# KiCad board panel.kicad_pcb (continued)
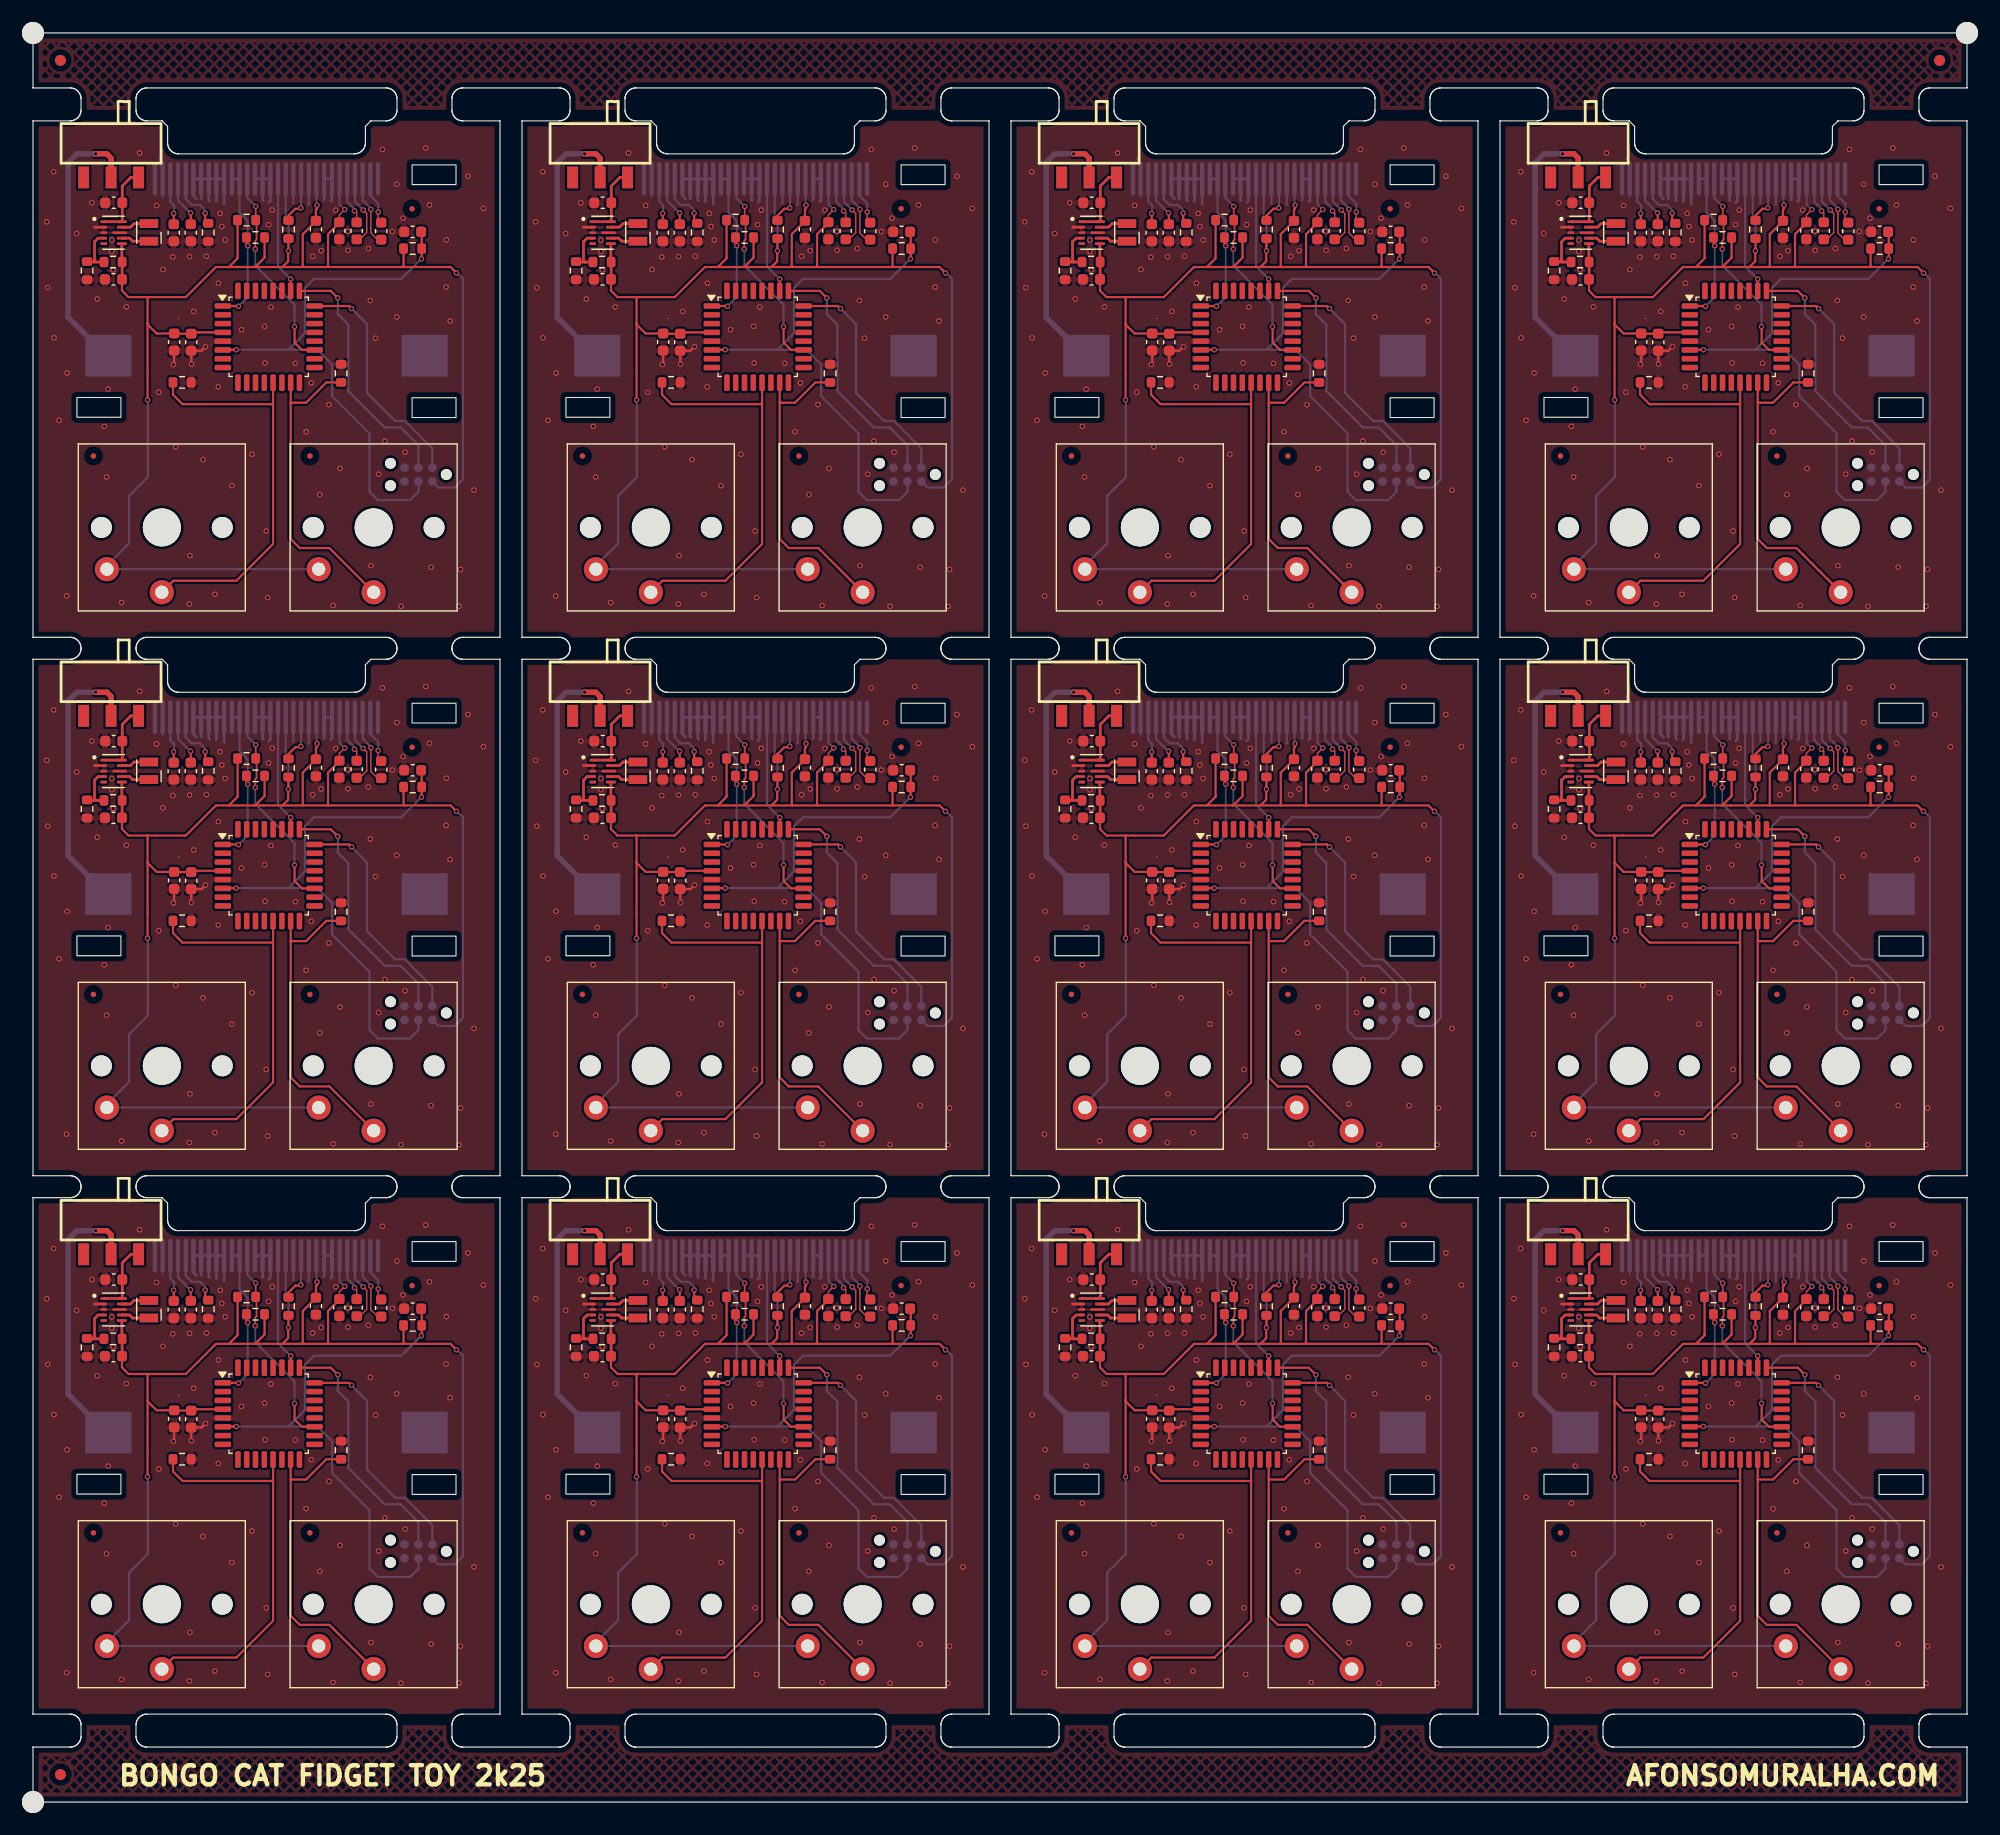
[diagram p0: board, top side]
## Routing (per net, layer and track width the routed paths; a pad name or vN(x,y) marks a point on that pad's centre or on a via; arc(x,y) is an arc through that point) (continued)
Board_5-Net-(BT1-+): length 25.3
  Top w0.5: SW5#5.2 51.61,100.62 51.22,101 v1(50.2,101)
  Bottom w0.5: v1(50.2,101) 48.5,101 47.7,100.2 47.7,86.12 51.19,82.63 BT1#4.1
Board_5-Net-(J1-Pin_2): length 4.3
  Top w0.127: v1(75.92,95.7) 75.9,95.68 75.9,94.73
  Bottom w0.2: J1#9.2 75.2,97.2 75.92,96.48 v1(75.92,95.7)
Board_5-Net-(J1-Pin_3): length 6.4
  Top w0.127: C9#9.1 75.85,93.19 75.25,93.79 v1(75.25,95.95)
  Bottom w0.2: J1#9.3 74.5,96.79 75.25,96.04 v1(75.25,95.95)
Board_5-Net-(J1-Pin_4): length 6.5
  Top w0.127: v1(74.55,95.89) 74.87,95.57 74.87,93.84 74.25,93.22 C8#6.2
  Bottom w0.2: J1#9.4 73.8,96.65 74.55,95.9 v1(74.55,95.89)
Board_5-Net-(J1-Pin_5): length 4.3
  Top w0.127: v1(73.76,95.81) 73.96,95.61 C8#6.1
  Bottom w0.2: J1#9.5 73.1,96.65 73.76,95.99 v1(73.76,95.81)
Board_5-Net-(J1-Pin_26): length 5
  Top w0.15: 60.17,94.9 60.15,94.88
  Top w0.2: v1(60.17,95.6) 60.17,94.9
  Bottom w0.2: v1(60.17,95.6) 60.17,95.88 59.7,96.35 58.95,96.35 58.4,96.9 J1#9.26
Board_5-Net-(J1-Pin_27): length 4.6
  Top w0.15: 58.86,95.61 v1(58.84,95.63)
  Top w0.2: C12#11.2 58.86,95.61
  Bottom w0.2: J1#9.27 57.7,96.75 58.82,95.63 v1(58.84,95.63)
Board_5-Net-(J1-Pin_28): length 4.3
  Top w0.15: 57.31,95.57 v1(57.3,95.58)
  Top w0.2: C13#2.2 57.31,95.57
  Bottom w0.2: v1(57.3,95.58) 57.35,95.63 57.35,96.3 57,96.65 J1#9.28
Board_5-Net-(SW5-A): length 6.7
  Top w0.25: U101#10.1 U101#10.10 52.62,94.86 C1#10.1 52.62,98.08 53.4,98.85 SW5#5.3
Board_5-Net-(U101-FB): length 4.4
  Top w0.25: U101#10.4 50.42,93.33 50.1,93 50.1,91.28 50.22,91.16 ; R4.1 49.47,91.16 50.22,91.16 ; R6#6.2 50.22,91.16
Board_5-Net-(U101-L1): length 2.6
  Top w0.25: L102#11.1 53.7,94.65 53.38,94.33 U101#10.9
Board_5-Net-(U101-L2): length 2.6
  Top w0.25: U101#10.7 53.3,93.33 53.58,93.05 53.57,93.05 L102#11.2
Board_5-unconnected-(U1-PC14-Pad2): length 0
  Top w0.127: 61.75,86.33 U1#2.2
Board_6-3V3: length 148.5
  Top w0.127: 123.04,92.38 122.75,92.09 ; v1(117.37,95.93) 116.88,95.44 C10#11.2 116.88,94.54
  Top w0.2: 113.6,90.7 113.55,90.75 113.55,93.69 114.75,94.89 C11#9.2 114.75,95.92 114.85,96.02 v1(114.85,96.33) ; 113.6,90.7 111.7,90.7 ; 113.6,90.7 115.9,90.7 ; 122.75,90.7 122.72,90.73 122.72,92.38 ; 122.75,90.7 115.9,90.7 ; 122.75,90.7 127,90.7 v1(127.54,90.16) ; 115.9,90.7 115.85,90.75 115.85,93.69 116.79,94.63 116.88,94.54 ; v1(99.43,78.6) 99.43,85.58 ; 111.7,90.7 109.22,90.7 ; 111.7,90.7 112.22,91.23 112.22,92.15 v1(112.25,92.18) R101#10.2 ; 106.82,90.7 105.65,90.7 102.91,87.96 99.43,87.96 ; 106.82,90.7 107.62,91.49 R13#10.2 ; 106.82,90.7 109.22,90.7 ; 99.43,87.96 99.43,85.58 ; 99.43,87.96 97.69,87.96 97.1,88.55 C2#4.1 ; 99.43,85.58 99.43,85.48 100.25,84.65 C4#8.1 101.87,84.63 C3#2.1 103.52,84.75 106.28,84.75 ; 109.22,90.7 110.07,91.55 R12#4.2
  Top w0.25: U101.6 97.09,91.18 97.12,91.16 97.12,89.59 C2#4.1 97.07,89.58
  Bottom w0.2: J4#9.1 125.9,70.63 127.38,70.63 128.12,71.38 128.12,89.64 127.58,90.18 127.58,90.21 ; v1(112.25,92.18) 112.25,94.95 112,95.2 J1.13 ; v1(99.43,78.6) 99.45,78.58 99.45,71.58 97.75,69.88 97.75,65.55 95.72,63.53 SW1#12.2 SW2#11.2 ; v1(117.37,95.93) 116.9,96.4 J1.6 ; v1(114.85,96.33) 114.8,96.38 J1.9
Board_6-/BS1: length 4.5
  Top w0.2: v1(113.38,96.08) 113.3,96 112.88,96 112.25,95.38 R101#10.1
  Bottom w0.2: J1.11 113.4,96.45 113.38,96.43 v1(113.38,96.08)
Board_6-/OLED_RST: length 10.7
  Top w0.2: v1(112.45,89.6) U1#8.26
  Bottom w0.2: v1(112.45,89.6) 111.3,90.75 J1.14
Board_6-/RST: length 50
  Top w0.127: 124.12,92.32 124.06,92.38
  Top w0.2: 106.28,83.15 106.3,83.18 v1(107.5,83.18) ; v1(124.35,91.45) 124.38,91.48 R8#9.2 124.38,93.85 124.32,93.9
  Bottom w0.2: J4#9.3 124.07,70.25 123.31,69.49 120.38,69.49 119.62,70.25 119.62,75.56 116.23,78.95 116.23,81.82 114.88,83.18 112.25,83.18 ; 112.25,83.18 113.75,84.68 113.75,88.8 114.57,89.63 122.53,89.63 v1(124.35,91.45) ; 112.25,83.18 v1(107.5,83.18)
Board_6-/SCL: length 19.1
  Top w0.127: v1(109.23,92.33) 109.15,92.41
  Top w0.152: v1(109.27,96.22) 109.27,95.06 109.34,94.98 109.34,93.21 109.23,93.09 v1(109.23,92.33)
  Top w0.2: U1#8.19 113.48,83.15 112.81,83.82 112.81,85.31
  Bottom w0.15: 109.2,92.45 109.22,92.43
  Bottom w0.2: v1(112.8,85.28) 112.8,87.28 109.23,90.85 v1(109.23,92.33) ; v1(109.27,96.22) 108.5,96.99 J1.18
Board_6-/SDA: length 15.6
  Top w0.127: 108.55,93.56 108.64,93.65 ; 106.28,87.15 106.21,87.09
  Top w0.152: v1(108.54,92.64) 108.43,92.76 R12#4.1
  Top w0.2: 107.81,87.07 107.73,87.15 106.28,87.15
  Bottom w0.127: 108.52,92.63 108.5,92.65
  Bottom w0.2: v1(107.7,87.13) 108.54,87.97 v1(108.54,92.64) 108.54,94.91 107.8,95.65 J1.19
  Bottom w0.25: J1.20 J1.19
Board_6-/SW1: length 37.3
  Top w0.127: 102.03,80.17 102.06,80.2
  Top w0.2: R1#5.1 101.74,79.08 102.6,78.22 110.82,78.22 110.85,78.25 ; 110.85,78.25 U1#8.13 ; 110.85,78.25 110.85,65.49 107.51,62.15 101.78,62.15 SW1#12.1
Board_6-/SW2: length 29.1
  Top w0.2: SW2#11.1 115.97,65.13 113.28,65.13 112.45,65.95 112.45,78.35 ; R2#12.1 115.69,80.2 113.85,78.35 112.45,78.35 ; 112.45,78.35 U1#8.15
Board_6-/SWCLK: length 23.1
  Top w0.2: U1#8.25 116.1,88.53 v1(116.74,87.89)
  Bottom w0.2: J4#9.4 124.07,74.49 122.46,76.1 121.01,76.1 117.7,79.41 117.7,85.45 116.74,86.41 v1(116.74,87.89)
Board_6-/SWDIO: length 21.5
  Top w0.127: 114.48,87.17 114.47,87.16
  Top w0.2: U1#8.24 117.76,87.15 v1(117.99,86.92)
  Bottom w0.2: v1(117.99,86.92) 119.4,85.51 119.4,79.25 121.96,76.69 122.84,76.69 125.34,74.19 J4#9.2
Board_6-/UART_TX: length 0.1
  Top w0.127: 109.25,88.71 109.26,88.72 109.26,88.81
Board_6-GND: length 36.7
  Top w0.127: 102.25,86.02 102.28,86.02
  Top w0.2: v1(104.7,83.45) 104.33,83.08 C3#2.2 103.4,81.9 v1(103.43,81.88) ; C4#8.2 101.85,81.9 v1(101.78,81.83)
  Top w0.25: 94.6,94.33 U101.2 ; 95.5,89.39 95.58,89.31
  Bottom w0.127: 100.45,100.6 100.8,100.25 100.8,97 ; 117.51,92.22 117.6,92.31
  Bottom w0.2: J1.10 114.1,96.38 114.07,96.35 ; 112.68,96.5 112.7,96.53 J1.12
  Bottom w0.25: 105.65,96.68 105.7,96.73 J1.22 ; 103.88,96.93 103.6,97.2 J1.25 J1.24 ; J1.24 J1.23 ; J1.24 104.3,96.95 104.35,96.9 ; J1.23 J1.22 ; J1.23 105,96.8 105.07,96.73 ; 115.47,96.8 115.5,96.83 J1.8 J1.7 116.2,96.78 116.1,96.68 ; 106.4,96.43 J1.21 J1.22 ; 109.95,96.75 109.9,96.8 J1.16 ; 110.45,96.58 110.6,96.73 J1.15 J1.16 ; J1.16 J1.17
  vias: v1(90.25,94.81) v1(90.35,88.82) v1(90.88,99.38) v1(90.92,84.26) v1(91.38,76.74) v1(92.11,81.06) v1(92.06,60.78) v1(92.97,93.75) v1(94.35,96.55) v1(94.85,87.8) v1(95.49,76.2) v1(95.7,71.6) v1(95.85,79.58) v1(96.18,93.15) v1(96.18,92.13) v1(96.3,90.43) v1(97.07,60.16) v1(97.5,87.08) v1(98.7,101.08) v1(100.25,96.3) v1(100.45,79.3) v1(100.82,90.48) v1(101.72,91.6) v1(101.99,74.33) v1(103.23,60.02) v1(103.25,91.65) v1(103.29,64.44) v1(103.62,86.65) v1(104.47,73.18) v1(104.78,91.68) v1(105.56,60.92) v1(105.88,89.23) v1(105.86,79.81) v1(106.04,95.58) v1(106.19,94.38) v1(106.49,93.16) v1(107.1,70.8) v1(107.97,85) v1(108.92,73.66) v1(110.07,85.3) v1(110.12,81.98) v1(110.22,66.67) v1(110.35,60.62) v1(110.44,94.56) v1(110.65,87.05) v1(110.77,95.89) v1(112.89,81.94) v1(113.85,75.7) v1(114.32,80.15) v1(114.45,91.68) v1(115.1,70) v1(115.22,92.19) v1(115.93,78.18) v1(116.32,59.89) v1(116.55,95.88) v1(116.94,72.36) v1(117.65,93.95) v1(117.68,92.22) v1(119.52,92.39) v1(119.7,87.65) v1(119.75,63.52) v1(120.18,84.23) v1(120.46,71.85) v1(120.8,101.4) v1(121.02,74.86) v1(121.7,93.93) v1(122.11,98.24) v1(122.1,86.16) v1(122.49,59.82) v1(122.68,95.15) v1(122.87,73.84) v1(124.74,101.52) v1(125.08,96.35) v1(125.23,63.38) v1(126.62,93.18) v1(126.6,88.88) v1(126.95,85.79) v1(127.77,59.82) v1(127.91,63.18) v1(128.58,98.97) v1(129.12,70.4) v1(129.99,96.04)
Board_6-Net-(BT1-+): length 25.3
  Top w0.5: v1(94.7,101) 95.72,101 96.11,100.62 SW5.2
  Bottom w0.5: BT1.1 95.69,82.63 92.2,86.12 92.2,100.2 93,101 v1(94.7,101)
Board_6-Net-(J1-Pin_2): length 4.3
  Top w0.127: 120.4,94.73 120.4,95.68 v1(120.42,95.7)
  Bottom w0.2: J1.2 119.7,97.2 120.42,96.48 v1(120.42,95.7)
Board_6-Net-(J1-Pin_3): length 6.4
  Top w0.127: C9#8.1 120.35,93.19 119.75,93.79 v1(119.75,95.95)
  Bottom w0.2: J1.3 119,96.79 119.75,96.04 v1(119.75,95.95)
Board_6-Net-(J1-Pin_4): length 6.5
  Top w0.127: v1(119.05,95.89) 119.37,95.57 119.37,93.84 118.75,93.22 C8#9.2
  Bottom w0.2: J1.4 118.3,96.65 119.05,95.9 v1(119.05,95.89)
Board_6-Net-(J1-Pin_5): length 4.3
  Top w0.127: C8#9.1 118.46,95.61 v1(118.26,95.81)
  Bottom w0.2: J1.5 117.6,96.65 118.26,95.99 v1(118.26,95.81)
Board_6-Net-(J1-Pin_26): length 5
  Top w0.15: 104.67,94.9 104.65,94.88
  Top w0.2: v1(104.67,95.6) 104.67,94.9
  Bottom w0.2: v1(104.67,95.6) 104.67,95.88 104.2,96.35 103.45,96.35 102.9,96.9 J1.26
Board_6-Net-(J1-Pin_27): length 4.6
  Top w0.15: 103.36,95.61 v1(103.34,95.63)
  Top w0.2: C12#5.2 103.36,95.61
  Bottom w0.2: v1(103.34,95.63) 103.32,95.63 102.2,96.75 J1.27
Board_6-Net-(J1-Pin_28): length 4.3
  Top w0.15: 101.81,95.57 v1(101.8,95.58)
  Top w0.2: C13#6.2 101.81,95.57
  Bottom w0.2: J1.28 101.5,96.65 101.85,96.3 101.85,95.63 v1(101.8,95.58)
Board_6-Net-(SW5-A): length 6.7
  Top w0.25: U101.1 U101.10 97.12,94.86 C1#12.1 97.12,98.08 97.9,98.85 SW5.3
Board_6-Net-(U101-FB): length 4.4
  Top w0.25: R4#6.1 93.97,91.16 94.72,91.16 ; R6.2 94.72,91.16 ; 94.72,91.16 94.6,91.28 94.6,93 94.93,93.33 U101.4
Board_6-Net-(U101-L1): length 2.6
  Top w0.25: L102#10.1 98.2,94.65 97.88,94.33 U101.9
Board_6-Net-(U101-L2): length 2.6
  Top w0.25: L102#10.2 98.07,93.05 98.07,93.05 97.8,93.33 U101.7
Board_6-unconnected-(U1-PC14-Pad2): length 0
  Top w0.127: 106.25,86.33 106.28,86.35
Board_7-3V3: length 148.5
  Top w0.127: 167.54,92.38 167.25,92.09 ; 161.38,94.54 C10#4.2 161.38,95.44 v1(161.87,95.93)
  Top w0.2: 167.25,90.7 171.5,90.7 v1(172.04,90.16) ; 167.25,90.7 160.4,90.7 ; 167.25,90.7 167.22,90.73 167.22,92.38 ; 153.72,90.7 151.32,90.7 ; 153.72,90.7 154.57,91.55 R12#7.2 ; 153.72,90.7 156.2,90.7 ; 160.4,90.7 158.1,90.7 ; 160.4,90.7 160.35,90.75 160.35,93.69 161.29,94.63 161.38,94.54 ; 156.2,90.7 156.72,91.23 156.72,92.15 v1(156.75,92.18) R101#12.2 ; 156.2,90.7 158.1,90.7 ; C2#11.1 141.6,88.55 142.19,87.96 143.93,87.96 ; 151.32,90.7 152.12,91.49 R13#7.2 ; 151.32,90.7 150.15,90.7 147.41,87.96 143.93,87.96 ; 143.93,87.96 143.93,85.58 ; 143.93,85.58 143.93,85.48 144.75,84.65 C4#12.1 146.37,84.63 C3#6.1 148.02,84.75 150.78,84.75 ; 143.93,85.58 v1(143.93,78.6) ; 158.1,90.7 158.05,90.75 158.05,93.69 159.25,94.89 C11#11.2 159.25,95.92 159.35,96.02 v1(159.35,96.33)
  Top w0.25: U101#12.6 141.59,91.18 141.62,91.16 141.62,89.59 C2#11.1 141.57,89.58
  Bottom w0.2: v1(159.35,96.33) 159.3,96.38 J1#10.9 ; v1(156.75,92.18) 156.75,94.95 156.5,95.2 J1#10.13 ; v1(161.87,95.93) 161.4,96.4 J1#10.6 ; SW2#10.2 SW1#2.2 140.22,63.53 142.25,65.55 142.25,69.88 143.95,71.58 143.95,78.58 v1(143.93,78.6) ; J4#2.1 170.4,70.63 171.88,70.63 172.62,71.38 172.62,89.64 172.08,90.18 172.08,90.21
Board_7-/BS1: length 4.5
  Top w0.2: v1(157.88,96.08) 157.8,96 157.38,96 156.75,95.38 R101#12.1
  Bottom w0.2: v1(157.88,96.08) 157.88,96.43 157.9,96.45 J1#10.11
Board_7-/OLED_RST: length 10.7
  Top w0.2: v1(156.95,89.6) U1#3.26
  Bottom w0.2: J1#10.14 155.8,90.75 v1(156.95,89.6)
Board_7-/RST: length 50
  Top w0.127: 168.62,92.32 168.56,92.38
  Top w0.2: v1(152,83.18) 150.8,83.18 150.78,83.15 ; v1(168.85,91.45) 168.88,91.48 R8#5.2 168.88,93.85 168.82,93.9
  Bottom w0.2: 156.75,83.18 158.25,84.68 158.25,88.8 159.07,89.63 167.03,89.63 v1(168.85,91.45) ; 156.75,83.18 159.38,83.18 160.73,81.82 160.73,78.95 164.12,75.56 164.12,70.25 164.88,69.49 167.81,69.49 168.57,70.25 J4#2.3 ; 156.75,83.18 v1(152,83.18)
Board_7-/SCL: length 19.1
  Top w0.127: v1(153.73,92.33) 153.65,92.41
  Top w0.152: v1(153.77,96.22) 153.77,95.06 153.84,94.98 153.84,93.21 153.73,93.09 v1(153.73,92.33)
  Top w0.2: U1#3.19 157.98,83.15 157.31,83.82 157.31,85.31
  Bottom w0.15: 153.7,92.45 153.72,92.43
  Bottom w0.2: v1(153.73,92.33) 153.73,90.85 157.3,87.28 v1(157.3,85.28) ; J1#10.18 153,96.99 v1(153.77,96.22)
Board_7-/SDA: length 15.6
  Top w0.127: 150.78,87.15 150.71,87.09 ; 153.05,93.56 153.14,93.65
  Top w0.152: R12#7.1 152.93,92.76 v1(153.04,92.64)
  Top w0.2: 150.78,87.15 152.23,87.15 152.31,87.07
  Bottom w0.127: 153.02,92.63 153,92.65
  Bottom w0.2: v1(152.2,87.13) 153.04,87.97 v1(153.04,92.64) 153.04,94.91 152.3,95.65 J1#10.19
  Bottom w0.25: J1#10.20 J1#10.19
Board_7-/SW1: length 37.3
  Top w0.127: 146.53,80.17 146.56,80.2
  Top w0.2: U1#3.13 155.35,78.25 ; 155.35,78.25 155.32,78.22 147.1,78.22 146.24,79.08 R1#2.1 ; 155.35,78.25 155.35,65.49 152.01,62.15 146.28,62.15 SW1#2.1
Board_7-/SW2: length 29.1
  Top w0.2: R2.1 160.19,80.2 158.35,78.35 156.95,78.35 ; 156.95,78.35 U1#3.15 ; 156.95,78.35 156.95,65.95 157.78,65.13 160.47,65.13 SW2#10.1
Board_7-/SWCLK: length 23.1
  Top w0.2: v1(161.24,87.89) 160.6,88.53 U1#3.25
  Bottom w0.2: v1(161.24,87.89) 161.24,86.41 162.2,85.45 162.2,79.41 165.51,76.1 166.96,76.1 168.57,74.49 J4#2.4
Board_7-/SWDIO: length 21.5
  Top w0.127: 158.98,87.17 158.97,87.16
  Top w0.2: v1(162.49,86.92) 162.26,87.15 U1#3.24
  Bottom w0.2: J4#2.2 169.84,74.19 167.34,76.69 166.46,76.69 163.9,79.25 163.9,85.51 v1(162.49,86.92)
Board_7-/UART_TX: length 0.1
  Top w0.127: 153.76,88.81 153.76,88.72 153.75,88.71
Board_7-GND: length 36.7
  Top w0.127: 146.75,86.02 146.78,86.02
  Top w0.2: v1(146.28,81.83) 146.35,81.9 C4#12.2 ; v1(147.93,81.88) 147.9,81.9 C3#6.2 148.83,83.08 v1(149.2,83.45)
  Top w0.25: 140,89.39 140.08,89.31 ; 139.1,94.33 U101#12.2
  Bottom w0.127: 145.3,97 145.3,100.25 144.95,100.6 ; 162.01,92.22 162.1,92.31
  Bottom w0.2: 157.18,96.5 157.2,96.53 J1#10.12 ; J1#10.10 158.6,96.38 158.57,96.35
  Bottom w0.25: J1#10.24 J1#10.25 148.1,97.2 148.38,96.93 ; J1#10.24 148.8,96.95 148.85,96.9 ; J1#10.24 J1#10.23 ; J1#10.23 J1#10.22 ; J1#10.23 149.5,96.8 149.57,96.73 ; J1#10.22 J1#10.21 150.9,96.43 ; J1#10.22 150.2,96.73 150.15,96.68 ; J1#10.16 154.4,96.8 154.45,96.75 ; J1#10.16 J1#10.15 155.1,96.73 154.95,96.58 ; J1#10.16 J1#10.17 ; 159.97,96.8 160,96.83 J1#10.8 J1#10.7 160.7,96.78 160.6,96.68
  vias: v1(134.75,94.81) v1(134.85,88.82) v1(135.38,99.38) v1(135.42,84.26) v1(135.88,76.74) v1(136.61,81.06) v1(136.56,60.78) v1(137.47,93.75) v1(138.85,96.55) v1(139.35,87.8) v1(139.99,76.2) v1(140.2,71.6) v1(140.35,79.58) v1(140.68,93.15) v1(140.68,92.13) v1(140.8,90.43) v1(141.57,60.16) v1(142,87.08) v1(143.2,101.08) v1(144.75,96.3) v1(144.95,79.3) v1(145.32,90.48) v1(146.22,91.6) v1(146.49,74.33) v1(147.75,91.65) v1(147.73,60.02) v1(147.79,64.44) v1(148.12,86.65) v1(148.97,73.18) v1(149.28,91.68) v1(150.06,60.92) v1(150.38,89.23) v1(150.36,79.81) v1(150.54,95.58) v1(150.69,94.38) v1(150.99,93.16) v1(151.6,70.8) v1(152.47,85) v1(153.42,73.66) v1(154.57,85.3) v1(154.62,81.98) v1(154.72,66.67) v1(154.85,60.62) v1(154.94,94.56) v1(155.15,87.05) v1(155.27,95.89) v1(157.39,81.94) v1(158.35,75.7) v1(158.82,80.15) v1(158.95,91.68) v1(159.6,70) v1(159.72,92.19) v1(160.43,78.18) v1(160.82,59.89) v1(161.05,95.88) v1(161.44,72.36) v1(162.15,93.95) v1(162.18,92.22) v1(164.02,92.39) v1(164.2,87.65) v1(164.25,63.52) v1(164.68,84.23) v1(164.96,71.85) v1(165.3,101.4) v1(165.52,74.86) v1(166.2,93.93) v1(166.61,98.24) v1(166.6,86.16) v1(166.99,59.82) v1(167.18,95.15) v1(167.37,73.84) v1(169.24,101.52) v1(169.58,96.35) v1(169.73,63.38) v1(171.12,93.18) v1(171.1,88.88) v1(171.45,85.79) v1(172.27,59.82) v1(172.41,63.18) v1(173.08,98.97) v1(173.62,70.4) v1(174.49,96.04)
Board_7-Net-(BT1-+): length 25.3
  Top w0.5: v1(139.2,101) 140.22,101 140.61,100.62 SW5#9.2
  Bottom w0.5: BT1#12.1 140.19,82.63 136.7,86.12 136.7,100.2 137.5,101 v1(139.2,101)
Board_7-Net-(J1-Pin_2): length 4.3
  Top w0.127: v1(164.92,95.7) 164.9,95.68 164.9,94.73
  Bottom w0.2: J1#10.2 164.2,97.2 164.92,96.48 v1(164.92,95.7)
Board_7-Net-(J1-Pin_3): length 6.4
  Top w0.127: v1(164.25,95.95) 164.25,93.79 164.85,93.19 C9#4.1
  Bottom w0.2: J1#10.3 163.5,96.79 164.25,96.04 v1(164.25,95.95)
Board_7-Net-(J1-Pin_4): length 6.5
  Top w0.127: C8#11.2 163.25,93.22 163.87,93.84 163.87,95.57 v1(163.55,95.89)
  Bottom w0.2: v1(163.55,95.89) 163.55,95.9 162.8,96.65 J1#10.4
Board_7-Net-(J1-Pin_5): length 4.3
  Top w0.127: C8#11.1 162.96,95.61 v1(162.76,95.81)
  Bottom w0.2: v1(162.76,95.81) 162.76,95.99 162.1,96.65 J1#10.5
Board_7-Net-(J1-Pin_26): length 5
  Top w0.15: 149.17,94.9 149.15,94.88
  Top w0.2: v1(149.17,95.6) 149.17,94.9
  Bottom w0.2: J1#10.26 147.4,96.9 147.95,96.35 148.7,96.35 149.17,95.88 v1(149.17,95.6)
Board_7-Net-(J1-Pin_27): length 4.6
  Top w0.15: 147.86,95.61 v1(147.84,95.63)
  Top w0.2: C12#4.2 147.86,95.61
  Bottom w0.2: J1#10.27 146.7,96.75 147.82,95.63 v1(147.84,95.63)
Board_7-Net-(J1-Pin_28): length 4.3
  Top w0.15: 146.31,95.57 v1(146.3,95.58)
  Top w0.2: C13#4.2 146.31,95.57
  Bottom w0.2: v1(146.3,95.58) 146.35,95.63 146.35,96.3 146,96.65 J1#10.28
Board_7-Net-(SW5-A): length 6.7
  Top w0.25: U101#12.1 U101#12.10 141.62,94.86 C1#9.1 141.62,98.08 142.4,98.85 SW5#9.3
Board_7-Net-(U101-FB): length 4.4
  Top w0.25: U101#12.4 139.43,93.33 139.1,93 139.1,91.28 139.22,91.16 ; 139.22,91.16 138.47,91.16 R4#10.1 ; 139.22,91.16 R6#9.2
Board_7-Net-(U101-L1): length 2.6
  Top w0.25: L102#3.1 142.7,94.65 142.38,94.33 U101#12.9
Board_7-Net-(U101-L2): length 2.6
  Top w0.25: L102#3.2 142.57,93.05 142.57,93.05 142.3,93.33 U101#12.7
Board_7-unconnected-(U1-PC14-Pad2): length 0
  Top w0.127: 150.75,86.33 150.78,86.35
Board_8-3V3: length 148.5
  Top w0.127: v1(28.37,46.93) 27.88,46.44 C10#9.2 27.88,45.54 ; 34.04,43.38 33.75,43.09
  Top w0.2: 33.75,41.7 38,41.7 v1(38.54,41.16) ; 33.75,41.7 33.72,41.73 R8#3.1 ; 33.75,41.7 26.9,41.7 ; 17.83,41.7 20.22,41.7 ; 17.83,41.7 18.61,42.49 R13.2 ; 17.83,41.7 16.65,41.7 13.91,38.96 10.42,38.96 ; 22.7,41.7 23.22,42.23 23.22,43.15 v1(23.25,43.18) R101#8.2 ; 22.7,41.7 20.22,41.7 ; 22.7,41.7 24.6,41.7 ; 10.42,38.96 10.42,36.58 ; 10.42,38.96 8.69,38.96 8.1,39.55 C2#8.1 ; 10.42,36.58 10.42,36.48 11.25,35.65 C4#10.1 12.87,35.63 C3#5.1 14.52,35.75 U1.4 ; 10.42,36.58 v1(10.42,29.6) ; R12#6.2 21.08,42.55 20.22,41.7 ; 24.6,41.7 24.55,41.75 24.55,44.69 25.75,45.89 C11#5.2 25.75,46.92 25.85,47.02 v1(25.85,47.33) ; 24.6,41.7 26.9,41.7 ; 26.9,41.7 26.85,41.75 26.85,44.69 27.79,45.63 27.88,45.54
  Top w0.25: 8.08,40.58 C2#8.1 8.11,40.59 R6#5.1 8.09,42.18 U101#5.6
  Bottom w0.2: J1#11.13 23,46.2 23.25,45.95 v1(23.25,43.18) ; J1#11.9 25.8,47.38 v1(25.85,47.33) ; 38.58,41.21 38.58,41.18 39.12,40.64 39.12,22.38 38.38,21.63 36.89,21.63 J4#12.1 ; v1(28.37,46.93) 27.9,47.4 J1#11.6 ; SW2#2.2 SW1#7.2 6.72,14.53 8.75,16.55 8.75,20.88 10.45,22.58 10.45,29.58 v1(10.42,29.6)
Board_8-/BS1: length 4.5
  Top w0.2: v1(24.38,47.08) 24.3,47 23.88,47 23.25,46.38 R101#8.1
  Bottom w0.2: v1(24.38,47.08) 24.38,47.43 24.4,47.45 J1#11.11
Board_8-/OLED_RST: length 10.7
  Top w0.2: v1(23.45,40.6) U1.26
  Bottom w0.2: v1(23.45,40.6) 22.3,41.75 J1#11.14
Board_8-/RST: length 50
  Top w0.127: 35.12,43.32 35.06,43.38
  Top w0.2: v1(35.35,42.45) 35.38,42.48 R8#3.2 35.38,44.85 C5#2.1 ; U1.6 17.3,34.18 v1(18.5,34.18)
  Bottom w0.2: 23.25,34.18 24.75,35.68 24.75,39.8 25.58,40.63 33.53,40.63 v1(35.35,42.45) ; 23.25,34.18 v1(18.5,34.18) ; 23.25,34.18 25.88,34.18 27.23,32.82 27.23,29.95 30.62,26.56 30.62,21.25 31.39,20.49 34.31,20.49 35.08,21.25 J4#12.3
Board_8-/SCL: length 19.1
  Top w0.127: v1(20.23,43.33) 20.15,43.41
  Top w0.152: v1(20.23,43.33) 20.23,44.09 20.34,44.21 20.34,45.98 20.27,46.06 v1(20.27,47.22)
  Top w0.2: U1.19 24.48,34.15 23.81,34.82 23.81,36.31
  Bottom w0.15: 20.2,43.45 20.22,43.43
  Bottom w0.2: J1#11.18 19.5,47.99 v1(20.27,47.22) ; v1(23.8,36.28) 23.8,38.28 20.23,41.85 v1(20.23,43.33)
Board_8-/SDA: length 15.6
  Top w0.127: 19.55,44.56 19.64,44.65 ; U1.1 17.21,38.09
  Top w0.152: v1(19.54,43.64) 19.42,43.76 R12#6.1
  Top w0.2: 18.81,38.07 18.73,38.15 U1.1
  Bottom w0.127: 19.52,43.63 19.5,43.65
  Bottom w0.2: v1(18.7,38.13) 19.54,38.97 v1(19.54,43.64) 19.54,45.91 18.8,46.65 J1#11.19
  Bottom w0.25: J1#11.20 J1#11.19
Board_8-/SW1: length 37.3
  Top w0.127: 13.03,31.17 13.06,31.2
  Top w0.2: SW1#7.1 12.78,13.15 18.51,13.15 21.85,16.49 21.85,29.25 ; U1.13 21.85,29.25 ; 21.85,29.25 21.82,29.22 13.61,29.22 12.74,30.08 R1#10.1
Board_8-/SW2: length 29.1
  Top w0.2: 23.45,29.35 23.45,16.95 24.28,16.13 26.97,16.13 SW2#2.1 ; 23.45,29.35 24.85,29.35 26.69,31.2 R2#9.1 ; 23.45,29.35 U1.15
Board_8-/SWCLK: length 23.1
  Top w0.2: U1.25 27.11,39.53 v1(27.74,38.89)
  Bottom w0.2: J4#12.4 35.08,25.49 33.46,27.1 32.01,27.1 28.7,30.41 28.7,36.45 27.74,37.41 v1(27.74,38.89)
Board_8-/SWDIO: length 21.5
  Top w0.127: 25.48,38.17 25.47,38.16
  Top w0.2: U1.24 28.76,38.15 v1(28.99,37.92)
  Bottom w0.2: v1(28.99,37.92) 30.4,36.51 30.4,30.25 32.96,27.69 33.84,27.69 36.34,25.19 J4#12.2
Board_8-/UART_TX: length 0.1
  Top w0.127: 20.25,39.71 20.26,39.72 20.26,39.81
Board_8-GND: length 36.7
  Top w0.127: 13.25,37.02 13.28,37.02
  Top w0.2: C4#10.2 12.85,32.9 v1(12.78,32.83) ; v1(14.42,32.88) 14.4,32.9 C3#5.2 15.33,34.08 v1(15.7,34.45)
  Top w0.25: 5.6,45.33 U101#5.2 ; 6.5,40.39 6.58,40.31
  Bottom w0.127: 28.51,43.22 28.6,43.31 ; 11.45,51.6 11.8,51.25 11.8,48
  Bottom w0.2: 23.67,47.5 23.7,47.53 J1#11.12 ; 25.08,47.35 25.1,47.38 J1#11.10
  Bottom w0.25: 26.47,47.8 26.5,47.83 J1#11.8 J1#11.7 27.2,47.78 27.1,47.68 ; 16.65,47.68 16.7,47.73 J1#11.22 ; 17.4,47.43 J1#11.21 J1#11.22 ; 14.88,47.93 14.6,48.2 J1#11.25 J1#11.24 ; J1#11.24 15.3,47.95 15.35,47.9 ; J1#11.24 J1#11.23 ; J1#11.17 J1#11.16 ; J1#11.16 J1#11.15 21.6,47.73 21.45,47.58 ; J1#11.16 20.9,47.8 20.95,47.75 ; J1#11.23 J1#11.22 ; J1#11.23 16,47.8 16.08,47.73
  vias: v1(1.25,45.81) v1(1.35,39.82) v1(1.88,50.38) v1(1.92,35.26) v1(2.38,27.74) v1(3.11,32.06) v1(3.06,11.78) v1(3.97,44.75) v1(5.35,47.55) v1(5.85,38.8) v1(6.49,27.2) v1(6.7,22.6) v1(6.85,30.58) v1(7.17,44.15) v1(7.17,43.13) v1(7.3,41.43) v1(8.07,11.16) v1(8.5,38.08) v1(9.7,52.08) v1(11.25,47.3) v1(11.45,30.3) v1(11.83,41.48) v1(12.72,42.6) v1(12.99,25.33) v1(14.23,11.02) v1(14.25,42.65) v1(14.29,15.44) v1(14.62,37.65) v1(15.47,24.18) v1(15.78,42.68) v1(16.56,11.92) v1(16.88,40.23) v1(16.86,30.81) v1(17.04,46.58) v1(17.19,45.38) v1(17.49,44.16) v1(18.1,21.8) v1(18.97,36) v1(19.92,24.66) v1(21.08,36.3) v1(21.12,32.98) v1(21.22,17.67) v1(21.35,11.62) v1(21.44,45.56) v1(21.65,38.05) v1(21.77,46.89) v1(23.89,32.94) v1(24.85,26.7) v1(25.33,31.15) v1(25.45,42.68) v1(26.1,21) v1(26.22,43.19) v1(26.92,29.18) v1(27.32,10.89) v1(27.55,46.88) v1(27.94,23.36) v1(28.65,44.95) v1(28.68,43.22) v1(30.52,43.39) v1(30.7,38.65) v1(30.75,14.52) v1(31.17,35.23) v1(31.46,22.85) v1(31.8,52.4) v1(32.02,25.86) v1(32.7,44.93) v1(33.11,49.24) v1(33.1,37.16) v1(33.49,10.82) v1(33.67,46.15) v1(33.87,24.84) v1(35.74,52.52) v1(36.08,47.35) v1(36.23,14.38) v1(37.62,44.18) v1(37.6,39.88) v1(37.95,36.79) v1(38.77,10.82) v1(38.91,14.18) v1(39.58,49.97) v1(40.12,21.4) v1(40.99,47.04)
Board_8-Net-(BT1-+): length 25.3
  Top w0.5: v1(5.7,52) 6.72,52 7.11,51.62 SW5#11.2
  Bottom w0.5: v1(5.7,52) 4,52 3.2,51.2 3.2,37.12 6.69,33.63 BT1#8.1
Board_8-Net-(J1-Pin_2): length 4.3
  Top w0.127: 31.4,45.73 31.4,46.68 v1(31.42,46.7)
  Bottom w0.2: v1(31.42,46.7) 31.42,47.48 30.7,48.2 J1#11.2
Board_8-Net-(J1-Pin_3): length 6.4
  Top w0.127: v1(30.75,46.95) 30.75,44.79 31.36,44.19 C9#7.1
  Bottom w0.2: v1(30.75,46.95) 30.75,47.04 30,47.79 J1#11.3
Board_8-Net-(J1-Pin_4): length 6.5
  Top w0.127: v1(30.05,46.89) 30.37,46.57 30.37,44.84 29.75,44.22 C8.2
  Bottom w0.2: J1#11.4 29.3,47.65 30.05,46.9 v1(30.05,46.89)
Board_8-Net-(J1-Pin_5): length 4.3
  Top w0.127: v1(29.26,46.81) 29.46,46.61 C8.1
  Bottom w0.2: J1#11.5 28.6,47.65 29.26,46.99 v1(29.26,46.81)
Board_8-Net-(J1-Pin_26): length 5
  Top w0.15: 15.67,45.9 15.65,45.88
  Top w0.2: v1(15.67,46.6) 15.67,45.9
  Bottom w0.2: v1(15.67,46.6) 15.67,46.88 15.2,47.35 14.45,47.35 13.9,47.9 J1#11.26
Board_8-Net-(J1-Pin_27): length 4.6
  Top w0.15: 14.36,46.61 v1(14.34,46.63)
  Top w0.2: C12#2.2 14.36,46.61
  Bottom w0.2: v1(14.34,46.63) 14.32,46.63 13.2,47.75 J1#11.27
Board_8-Net-(J1-Pin_28): length 4.3
  Top w0.15: 12.81,46.57 v1(12.8,46.58)
  Top w0.2: C13#11.2 12.81,46.57
  Bottom w0.2: J1#11.28 12.5,47.65 12.85,47.3 12.85,46.63 v1(12.8,46.58)
Board_8-Net-(SW5-A): length 6.7
  Top w0.25: SW5#11.3 8.9,49.85 8.12,49.08 C1#11.1 8.12,45.86 U101#5.10 U101#5.1
Board_8-Net-(U101-FB): length 4.4
  Top w0.25: 5.72,42.16 5.6,42.28 5.6,44 5.92,44.33 U101#5.4 ; 5.72,42.16 4.97,42.16 R4#12.1 ; 5.72,42.16 R6#5.2
Board_8-Net-(U101-L1): length 2.6
  Top w0.25: U101#5.9 8.88,45.33 9.2,45.65 L102#12.1
Board_8-Net-(U101-L2): length 2.6
  Top w0.25: U101#5.7 8.8,44.33 9.08,44.05 9.07,44.05 L102#12.2
Board_8-unconnected-(U1-PC14-Pad2): length 0
  Top w0.127: 17.25,37.33 U1.2
Board_9-3V3: length 148.5
  Top w0.127: 72.38,45.54 C10#10.2 72.38,46.44 v1(72.87,46.93) ; 78.54,43.38 78.25,43.09
  Top w0.2: 78.25,41.7 82.5,41.7 v1(83.04,41.16) ; 78.25,41.7 78.22,41.73 78.22,43.38 ; 78.25,41.7 71.4,41.7 ; 64.72,41.7 62.33,41.7 ; 64.72,41.7 65.58,42.55 R12#11.2 ; 64.72,41.7 67.2,41.7 ; C2.1 52.6,39.55 53.19,38.96 54.92,38.96 ; 69.1,41.7 67.2,41.7 ; 69.1,41.7 69.05,41.75 69.05,44.69 70.25,45.89 C11#3.2 70.25,46.92 70.35,47.02 v1(70.35,47.33) ; 69.1,41.7 71.4,41.7 ; 67.2,41.7 67.72,42.23 67.72,43.15 v1(67.75,43.18) R101#5.2 ; 71.4,41.7 71.35,41.75 71.35,44.69 72.29,45.63 72.38,45.54 ; R13#6.2 63.11,42.49 62.33,41.7 ; 54.92,36.58 v1(54.92,29.6) ; 54.92,36.58 54.92,38.96 ; 54.92,36.58 54.92,36.48 55.75,35.65 C4#5.1 57.37,35.63 C3#3.1 59.02,35.75 U1#11.4 ; 62.33,41.7 61.15,41.7 58.41,38.96 54.92,38.96